# Altium PCB WX0.010.983PCB-4.2(1).PcbDoc (part 2 of 2)
Units mil, origin at the board's own origin, x right, y up, seen from the top; angles counter-clockwise.
Board outline 4734.45 x 7758.08 mil, 2 copper layers (Top Layer, Bottom Layer), stack 12.8 mil thick; 188 components, 143 nets, 633 pads, 443 vias.
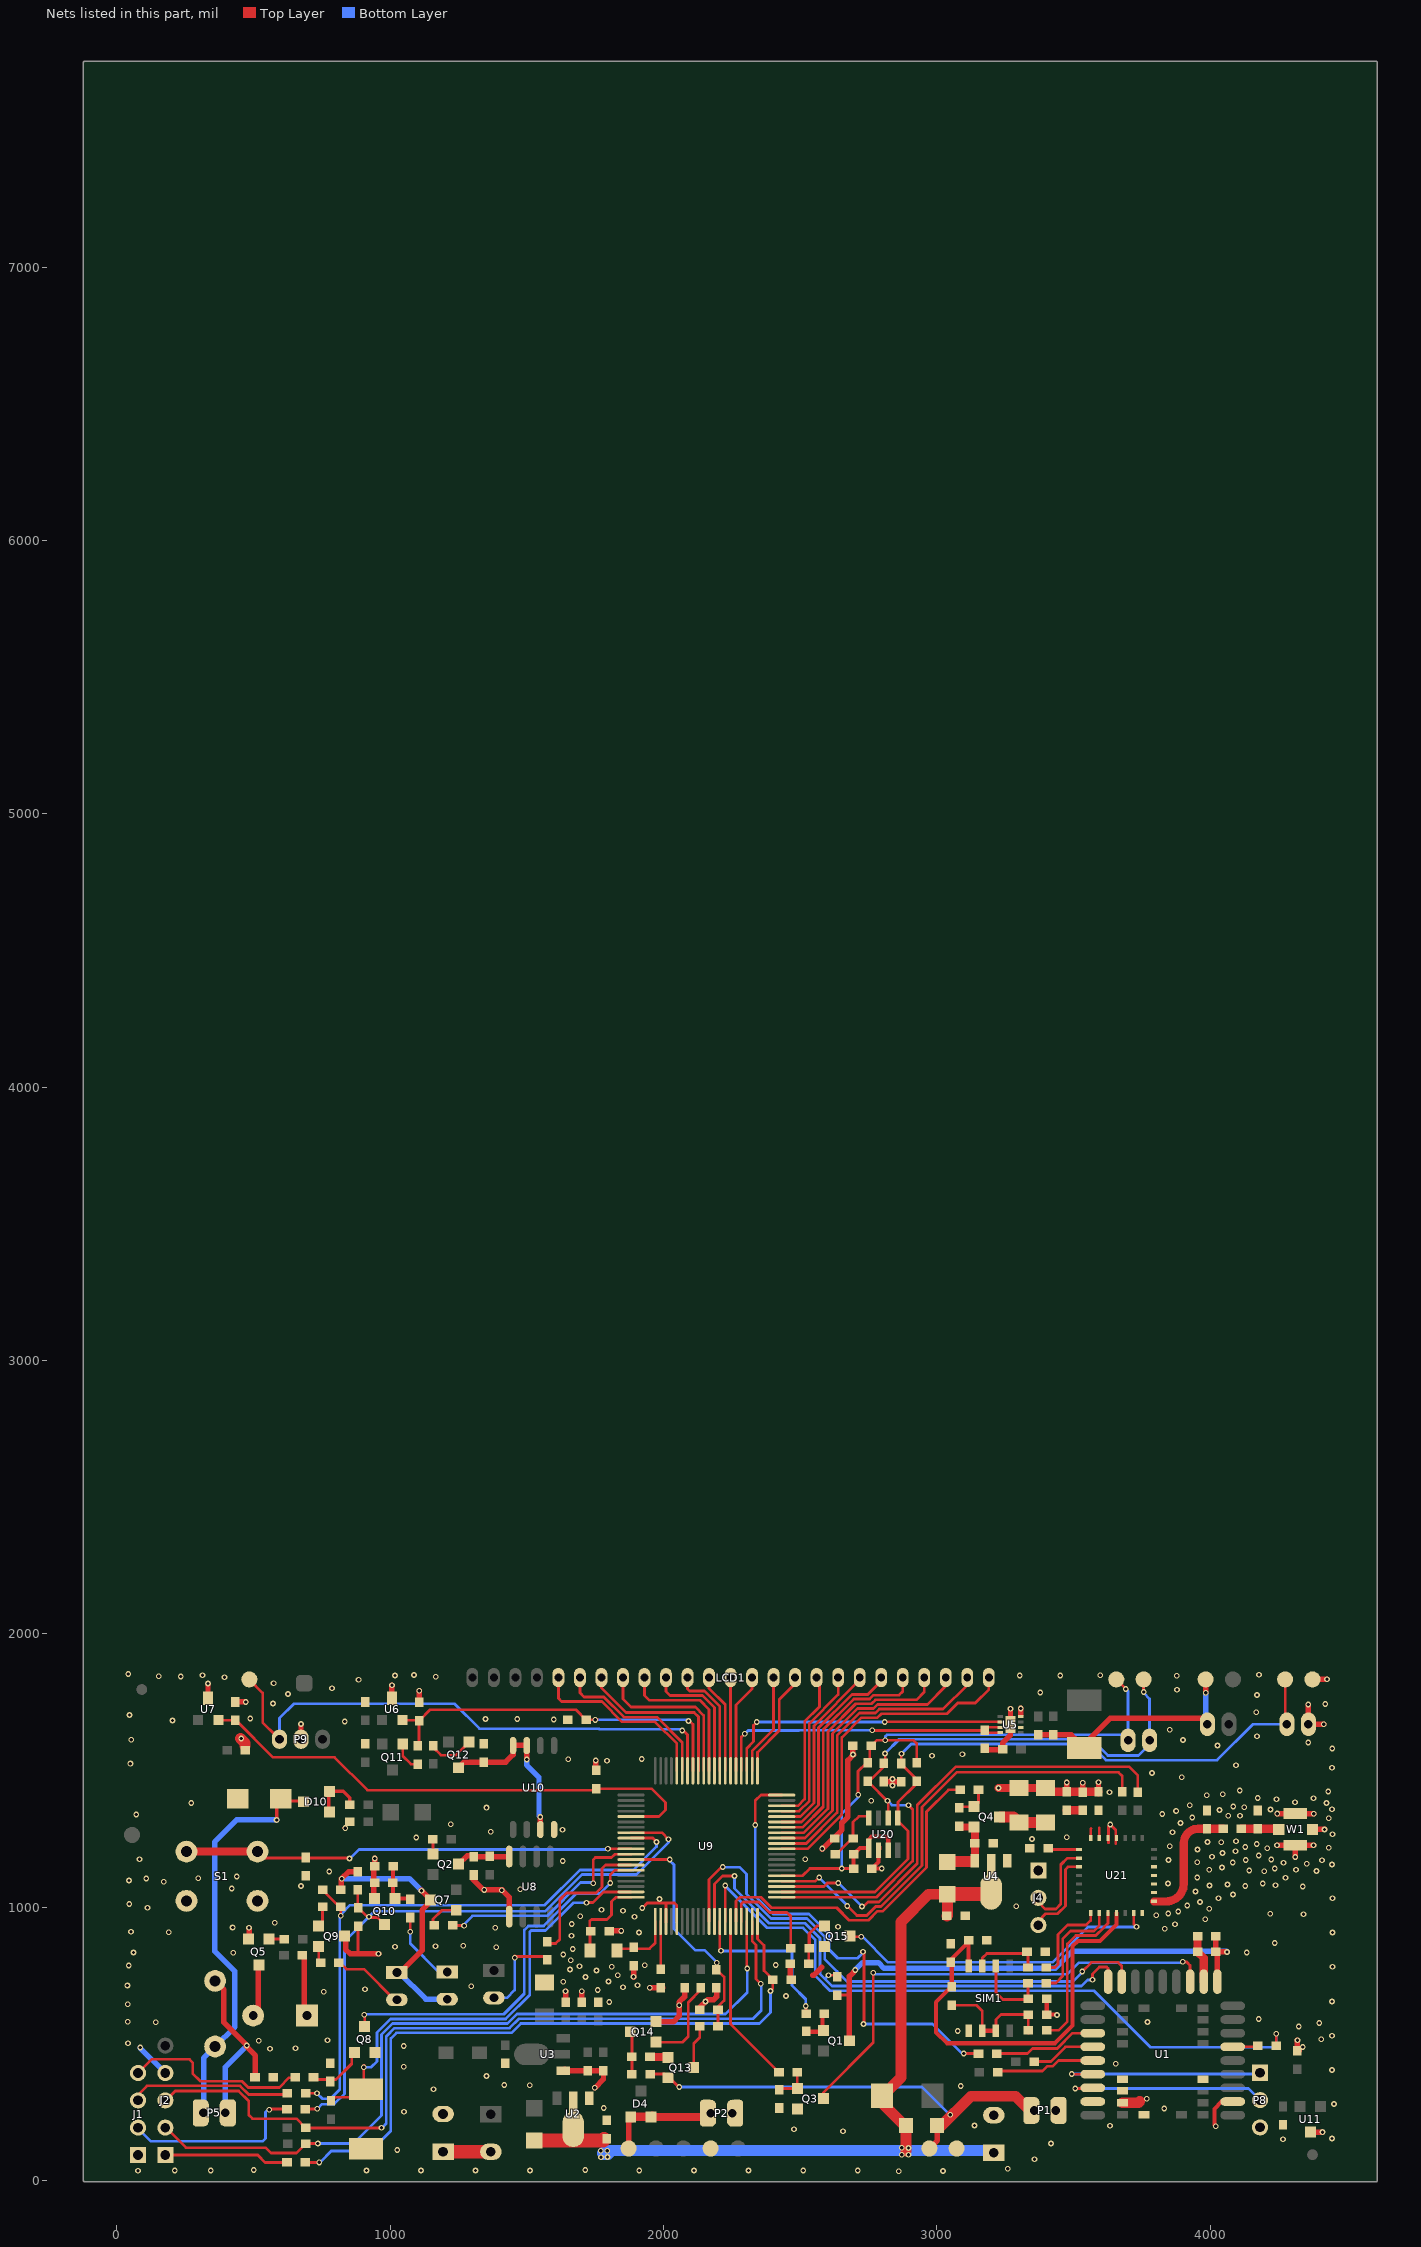
[diagram p2: the nets of this part, all layers, seen from the top]

## Via types
v1: diameter 21, hole 12, Top Layer to Bottom Layer, tented both sides, 443 vias

## Nets (pads, with @x,y where several pads share a name; then routed paths per layer and width w, separated by ;. In a path a pad name is that pad's centre, name@x,y a point inside that pad or via, vN(x,y) a via of type N, cw(c..) or ccw(c..) an arc to the next point about the centre after c; other vN are vias at no path point) (continued)
GND: C1.2 C2.2 C3.2 C4.2 C5.2 C7.2 C8.2 C9.2 C10.2 C11.2 C12.2 C13.2 C14.2 C15.2 C16.2 C17.2 C18.2 C19.2 C20.2 C21.2 C22.1 C23.1 C26.2 C27.2 C28.2 C29.2 C30.2 C31.2 C32.2 C33.1 C34.2 C35.2 C36.2 C37.2 C38.2 C39.1 C40.2 C41.1 C42.2 C43.2 C44.2 C45.2 C46.2 C47.2 C48.2 C49.2 C50.2 C51.1 C54.2 C55.2 C56.2 C57.2 C59.2 C64.1 FB2.1 J1.1 J2.4 J4.1 P1.1 P2.1 P7.2 P8.3 P9.2 Q3.2 Q5.2 Q8.2 Q9.3 Q10.2 Q14.2 Q15.2 R38.1 R41.1 R48.2 R56.2 R58.2 R96.2 S1.2 S2.2 SIM1.1 TP5.1 TP6.1 TP12.1 TVS2.1 U1.2@4082.01,288.64 U1.11@3976.1,727.22 U1.26@3570.2,288.64 U1.29 U1.30 U1.31 U1.33 U1.38 U2.1 U3.1 U4.1 U5.4 U5.9 U6.3 U7.3 U8.1 U9.63 U9.65 U10.4 U11.3 U20.2 U21.4 U21.5 U21.21 U21.23 U21.24 U21.25 U21.26 W1.2 | length 4920.8
  Top Layer w10: v1@829,1289 C8.2@852,1312 ; C26.2@882,930.49 882,833.49 886,829.49 ; v1(1922,997) 1940,1015 2039,1015 2048.14,1005.86 U9.65@2048.14,947.42 ; U9.63@2008.77,943.42 U9.63@2008.77,947.42 2008.77,1012 ; 3628,1235 3628,1296 v1(3634,1302) 3654,1282 3654,1232
  Top Layer w15: U20.2@2786.28,1208.03 2786.28,1165.28 C64.1@2762,1141 v1(2798,1141) ; C20.2@3401.51,664 C21.2@3401.51,607 v1@3438,607 ; v1(4020,198) 4015,203 4015,262 4041.64,288.64 U1.2@4082.01,288.64
  Top Layer w20: U7.3@333,1764 v1(333,1818) ; C29.2@432,1750.51 v1(471.49,1750.51) ; Q5.2@483.6,882.24 v1@483.6,922.4 ; P9.2@673.26,1614 v1@673.26,1669.74 ; Q9.3@836.24,887 836.24,845.76 852.51,829.49 886,829.49 v1(957,829.49) ; Q10.2@934.6,1030.24 940,1035.65 R41.1@940,1148 ; R41.1@943,1149.26 v1(943,1178) ; U6.3@1006,1764 v1(1006,1812) ; C30.2@1106,1749.51 v1(1106,1792) ; C34.2@1304,1120.49 1304,1100 1341,1063 v1(1344,1063) 1409,1063 1435,1037 U8.1@1435,965 ; U3.1@1639,406 1635,402 1636,401 1724,401 C59.2@1724.49,401.49 ; C4.2@1641,652.51 v1(1641,692) ; C5.2@1701,652.51 v1@1701,691 ; C59.2@1723,401.49 C59.2@1724.49,401.49 ; v1(1748,339) 1780,371 1780,401.49 C10.2@1779,401.49 C59.2@1724.49,401.49 ; v1(1752,1536) 1752,1501 1751.51,1500.51 C56.2@1754,1500.51 ; C41.1@1796.49,913 v1(1845,913) ; v1@1890,744 v1(1890,745) C42.2@1890,779.49 ; v1@1950.49,705.49 C38.2@1990,705.49 C38.2@1996,705.49 ; Q14.2@1972.24,580.4 2035.4,580.4 2057,602 v1(2057,641) 2057,652 2077,672 C39.1@2077,705.51 ; R56.2@2132,625 2132,632 2161,661 2183,661 2194,672 C51.1@2194,704.51 ; R58.2@2464,792 2464,737.51 C43.2@2466.51,735 ; 2545,751 2550,751 2579,780 ; v1@2580,1211 2652,1283 2652,1307.89 2674,1329.89 2674,1537 2695,1558 2692.51,1560.49 C33.1@2692.51,1590 ; U20.2@2786.28,1214.03 U20.2@2786.28,1219.03 ; C46.2@2805,1459.49 v1@2837,1459.49 ; v1(2837,1445) v1@2837,1459.49 ; v1(2837,1469) v1@2837,1459.49 ; C35.2@2870,1458.49 2869,1459.49 v1@2837,1459.49 ; C22.1@3175,1578.35 3177.51,1575.84 3240.51,1575.84 C23.1@3240.51,1577 3240.51,1600.35 3269,1628.84 U5.9@3269,1667.84 v1(3269,1725.84) ; 3306.41,1704.37 v1(3306.41,1726.84) v1@3306.41,1727.84 ; C18.2@3475,1430.51 v1(3475,1456) ; C17.2@3533,1421.01 3533,1422.01 v1(3533,1455) ; C16.2@3591,1415.01 C16.2@3591,1422.01 v1(3591,1457) ; v1@4244.07,1225.93 W1.2@4311.02,1225.93 ; v1(4245.07,1342.07) W1.2@4311.02,1342.07 v1@4378.93,1342.07 ; v1(4311,1183) W1.2@4311.02,1225.93 ; v1(4319,513) 4319,480.51 C48.2@4325,474.51 ; v1(4358,1741) 4359,1740 P7.2@4359,1669 v1(4415,1669) ; U11.3@4366,176.76 v1(4410.24,176.76) ; TP12.1@4374,1833 4426,1833 v1(4427,1834) ; W1.2@4374.04,1284 v1(4418,1284) ; v1@4377.93,1225.93 W1.2@4311.02,1225.93
  Top Layer w30: v1(3225,1436) 3225.61,1435.39 C9.2@3300,1435.39 C37.2@3397,1435.39 3410.38,1422.01 3533,1422.01 C16.2@3591,1422.01 ; C15.2@3953.5,893 C13.2@3953.5,836 3976,813.5 U1.11@3976,727.32
  Top Layer w40: v1@452,1617 468,1601 468,1590 ; U1.31@3678.46,284.31 3737.31,284.31 3742,289
  Bottom Layer w20: v1(85,486) 85,485 J2.4@177,393
  other v1: 2860.18,33.5 77,35 3022.18,34.5 211,36 343,36 913,36 1511.05,36 1112,36.5 1311.77,36.5 1911.09,36.5 2110.86,36.5 2310.64,36.5 2510.41,36.5 2710.18,36.5 500,38 1712.82,38 3259,43 3357.18,77.5 1025,111 3417.18,135.5 4266,151 4445,153 2656.18,179.5 2477.18,187.5 3633,200 3137,201 1050,251 3832,263 1781,265 4453,280 3768,299 1158,334 3087.18,345.5 1510,348 1417,349 1352,382 4445,403.62 1049,416 3654,427 560,482 653,484 4338,488 1049,492 40,502 519,511 770,513 4406,517 4445.5,529.44 3076,547 4324,563 4399,576 142,579 3770,580 39,581 4177,591 3439,605 39,645 1801,653 2153,655 4445,654.25 2448,675 756,690 1700,692 1759,697 907,699 1949,705 1851,707 1296,710 38,713 1904,714 1633,727 1798,728 1714,744 1832,751 1754,768 1657,772 1810,782 4447,781.56 1692,784 43,786 1931,787 2410,788 1660,806 1633,827 425,833 60,834 4133,834 1667,847 1388,853 1017,855 1165,857 1267,859 4236,869 1663,895 1910,907 4447,906.88 189,908 51,910 3833,921 483,924 1384,924 423,925 2638,928 3871,937 1664,938 577,943 3982,956 1893,965 1695,967 3802,970 4341,974 4219,976 3846,977 3883,984 1851,987 1773,990 3996,994 112,998 3290,1003 3916,1006 45,1011 3962,1019 1985,1030 4030,1032 4447,1032.19 4083,1046 3946,1057 1408,1062 1475,1065 420,1068 4338,1075 673,1077 4128,1077 3997,1079 4239,1080 4063,1083 3845,1086 4192,1086 171,1093 44,1097 107,1105 297,1106 4275,1107 3952,1108 438,1112 777,1130 4197,1131 4389,1132 4143,1134 3996,1137 4314,1137 4236,1141 4043,1145 4445.5,1156 4353,1159 4268,1162 4082,1163 3952,1164 1631,1169 4409,1171 3847,1172 4130,1172 4223,1174 82,1175 2518,1175 4006,1184 4177,1189 4045,1198 4092,1204 3953,1211 2580,1214 4208,1215 4433,1217 4128,1220 3852,1223 4244,1226 4378,1226 4170,1231 4040,1237 3990,1238 4094,1241 3348,1249 1095,1255 3475,1256 4447,1267 3862,1274 1367,1276 1630,1283 835,1289 1221,1303 3891,1308 4433,1325 3934,1328 4066,1334 4109,1334 70,1339 3824,1341 4379,1342 3875,1352 4034,1355 4220,1357 4445,1358 1352,1364 4124,1365 4084,1368 3925,1373 272,1381 4425,1381 4310,1384 2760,1389 4242,1395 4378,1398 4174,1399 3987,1409 4046,1413 3631,1420 4432,1423 4108,1427 3896,1475 3787,1491 4445,1510 4094,1519 49,1525 1793,1535 1651,1541 1920,1542 2982,1554 2693,1558 3093,1559 4446,1580 4026,1591 4358,1602 3900,1611 52,1612 455,1617 4171,1625 3852,1649 673,1670 833,1679 203,1683 1598,1686 1348,1688 1464,1688 488,1690 46,1703 4168,1713 4421,1743 571,1745 4171,1776 626,1780 3378,1785 3878,1795 787,1801 573,1819 884,1832 393,1841 1166,1843 233,1844 153,1845 3877,1846 1017,1847 3303,1847 3450.75,1847 313,1848 1087,1849 3597,1848.5 4178,1850 41,1853
GPRS_3.6V: C9.1 C16.1 C17.1 C18.1 C37.1 Q4.3 U21.6 U21.7 | length 304.2
  Top Layer w10: U21.7@3562.51,1252.81 3562.51,1286.51 3564,1288 ; U21.6@3594.01,1252.81 3594.01,1289.99
  Top Layer w30: C18.1@3475,1354.51 3532.5,1354.51 C17.1@3533,1354.01
  Top Layer w40: Q4.3@3232.24,1330 3280,1330 C9.1@3300,1310 C37.1@3397,1310
GPRS_POWER: R18.1 U9.76 | length 1252.4
  Top Layer w10: U9.76@2264.68,947.42 2264.68,1021.68 2279,1036 2356.04,1036 2394.54,997.5 2633.25,997.5 2678.75,952 2750.04,952 2783.04,985 2802.08,985 2962,1144.92 2962,1349 3042,1429 R18.1@3085,1429
GPRS_RST: R57.1 U9.77 | length 386.6
  Top Layer w10: U9.77@2284.36,947.42 2284.36,1012.36 2291,1019 2349,1019 2387.5,980.5 2451,980.5 2465,966.5 R57.1@2465,850
HALL1_INTP6: C29.1 C56.1 U7.2 U9.45 | length 1925.9
  Top Layer w10: U7.2@371,1684 431.51,1684 C29.1@432,1683.51 435.49,1683.51 571,1548 796.35,1548 916.35,1428 C56.1@1750.51,1428 ; C56.1@1754,1430 C56.1@1754,1433.51 1955.49,1433.51 2007,1382 2007,1355.87 1982.41,1331.28 U9.45@1880.82,1331.28
HALL2_INTP7: C30.1 C50.1 R3.1 U6.2 U9.33 | length 1371.1
  Top Layer w10: U6.2@1044,1684 C30.1@1104.51,1684 ; R3.1@1105,1590 1105,1681.51 C30.1@1106,1682.51 1145.49,1722 1679.49,1722 C50.1@1716.49,1685 v1(1750,1685) 1755,1685 v1@1757,1687 ; v1(2091,1681) 2095,1681 2107.2,1668.8 U9.33@2107.2,1498.6
  Bottom Layer w10: v1(1750,1685) 2087,1685 v1(2091,1681)
IRDA_CTL: R27.1 U9.52 | length 817.3
  Top Layer w10: R27.1@1228,933 1269,933 v1(1270,932) ; v1(1742,1087) 1742,1173 1750.17,1181.17 1809.25,1181.17 1821.57,1193.48 U9.52@1880.82,1193.48
  Bottom Layer w10: v1(1270,932) 1270,937 1301,968 1574.08,968 1696.08,1090 1739,1090 v1(1742,1087)
IRDA_POW: D5.1 D6.2 Q7.3 R29.1 R34.2 | length 1023.5
  Top Layer w20: R34.2@825,1058 821,1062 821,1103 v1(822,1104) 848,1130 R29.1@881,1130 ; D5.1@1024,761 1035,761 1116,842 1116,989 1146.76,1019.76 Q7.3@1146.76,1026 1146.76,1028.24 v1@1114,1061
  Bottom Layer w20: v1(822,1104) 1070,1104 v1(1114,1060) ; D5.1@1024,761 1032,761 1130,663 D6.2@1208,663
IRDA_RXD1: C26.1 Q10.3 R29.2 R37.2 U9.48 | length 2390.2
  Top Layer w10: R37.2@689,261 732,261 v1(733,262) ; C26.1@881,1013.49 R29.2@881,1063 ; C26.1@882,999 919,962 953.76,962 Q10.3@979,936.76 ; U9.48@1880.82,1272.22 1993.78,1272.22 v1(2018,1248)
  Bottom Layer w10: v1(733,262) 750,279 794.04,279 832,316.96 832,874 943,985 1567.04,985 1701.04,1119 1900.25,1119 2018,1236.75 v1(2018,1248)
  other v1: 922,964.49
IRDA_TXD1: R34.1 R36.2 R40.1 U9.49 | length 2290.2
  Top Layer w10: R36.2@690,319 v1(732,319) ; R34.1@752,1063 814,1001 R40.1@819,1001 v1(819,968) ; U9.49@1880.82,1252.54 1960.21,1252.54 1974,1238.75 v1(1974,1238)
  Bottom Layer w10: v1(732,319) 732,318 751,299 782,299 815,332 815,964 v1(819,968) 819,973 853,1007 1565,1007 1694,1136 1889,1136 1974,1221 v1(1974,1238)
KEY_INTP0: C31.1 S1.1 U9.51 | length 1654
  Top Layer w10: S1.1@524,1198 524,1193 537.49,1179.51 v1@853,1179.51 ; v1(1796,1213.17) U9.51@1880.82,1213.17
  Top Layer w30: S1.1@254,1203 S1.1@514,1203 S1.1@524,1203
  Bottom Layer w10: v1(851,1178) 853,1178 886,1211 1793.83,1211 v1(1796,1213.17)
LED: R7.1 U9.54 | length 556.1
  Top Layer w10: R7.1@1568,867 1605,867 1620,882 1620,1027 1645,1052 1752.25,1052 1774.5,1074.25 1774.5,1141.61 1787,1154.11 U9.54@1880.82,1154.11
MCU_RXD0: R60.1 U9.3 | length 1755.1
  Top Layer w10: U9.3@2432,1075.37 2586.37,1075.37 2599,1088 v1(2639,1088) ; v1(2726,1002) 2731,1002 2748,1019 2788,1019 2928,1159 2928,1373.04 3068.96,1514 3702,1514 3735,1481 R60.1@3735,1420.87
  Bottom Layer w10: v1(2639,1088) 2725,1002 v1(2726,1002)
MCU_TXD0: R59.2 U9.4 | length 1713.9
  Top Layer w10: U9.4@2432,1095.06 2555.06,1095.06 2568,1108 v1(2569,1108) ; v1(2672,1004) 2707,969 2743,969 2776,1002 2795.04,1002 2945,1151.96 2945,1366 3072,1493 3664,1493 3678,1479 R59.2@3678,1421.87
  Bottom Layer w10: v1(2569,1108) v1@2672,1005
NB_DBG_RXD: J4.3 U21.10 | length 324.9
  Top Layer w10: J4.3@3371,934 3371,949 3398,976 3442.04,976 3470,1003.96 3470,1138 3479.5,1147.5 U21.10@3520.19,1147.5
NB_DBG_TXD: J4.2 U21.9 | length 336.9
  Top Layer w10: J4.2@3371,1034 3371,1018 3396,993 3435,993 3453,1011 3453,1155 3476.99,1178.99 U21.9@3520.19,1178.99
NetB1_1: B1.1 R42.1 | length 217.1
  Top Layer w20: R42.1@685,816 685,613 B1.1@695,603
NetB1_2: B1.2 Q5.3 | length 192.5
  Top Layer w20: B1.2@498.15,603 516,620.85 516,774 Q5.3@526,784
NetC1_1: C1.1 R2.2 U21.22 | length 469
  Top Layer w30: U21.22@3793.81,1021 3839,1021 ccw(c3839,1085) 3903,1085 3903,1234 cw(c3955.69,1234) 3955.69,1286.69 C1.1@3988,1286.69 ; C1.1@3988,1286.51 C1.1@3988,1286.69 ; R2.2@4047.02,1286.69 C1.1@3988,1286.69
NetC2_1: C2.1 R2.1 W1.1 | length 133.3
  Top Layer w30: R2.1@4114.71,1287 W1.1@4248,1287
NetC6_2: C6.2 C44.1 | length 176.2
  Top Layer w50: C44.1@1193,105.43 1367.35,105.43 C6.2@1368,104.78
  Bottom Layer w50: C6.2@1367.35,105.43 C6.2@1368,104.78
NetC32_1: C32.1 Q10.1 R39.1 R41.2 | length 176.3
  Top Layer w15: Q10.1@1009.4,1030.24 R41.2@1009.4,1145.6 ; R41.2@1010,1149.26 R41.2@1012.4,1146.85 ; Q10.1@1016.4,1031.24 1070.76,1031.24 R39.1@1073,1029
NetC34_1: C34.1 Q2.3 R45.1 U8.8 | length 197.6
  Top Layer w20: Q2.3@1250.24,1157 1280.74,1187.49 C34.1@1304,1187.49 ; C34.1@1304,1184.49 C34.1@1305,1184.49 1434.51,1184.49 U8.8@1435,1184
NetC36_1: C36.1 Q12.3 U10.3 U10.7 U10.8 | length 632.3
  Top Layer w20: Q12.3@1248,1509.76 1268.75,1530.51 C36.1@1341,1530.51 1422,1530.51 1449,1557.51 U10.8@1449,1591.09 ; U10.8@1449,1591.49 1498.6,1591.49 U10.7@1499,1591.09 v1(1499,1540) ; U10.3@1549,1284 v1(1549,1330)
  Bottom Layer w20: v1(1499,1540) 1499,1520 1544,1475 1544,1335 v1(1549,1330)
NetC38_1: C38.1 U9.62 | length 175.3
  Top Layer w10: U9.62@1989.09,947.42 1989.09,773.4 C38.1@1990,772.49
NetC40_1: C40.1 Q4.2 R16.2 R50.2 U4.3 | length 271.8
  Top Layer w25: R16.2@3082,1296 3085.4,1292.6 Q4.2@3134.76,1292.6 Q4.2@3137.76,1292.6
  Top Layer w30: Q4.2@3137.76,1292.6 3138.94,1291.41 U4.3@3138.94,1169.43
  Top Layer w40: R50.2@3042,1166.11 U4.3@3133,1166.11
NetD4_1: D4.1 D4.2 P2.2 TP7.1 | length 415.6
  Top Layer w20: TP7.1@1872,117 1872,222.67 1885.76,222.67 D4.1@1887.72,224.64
  Top Layer w30: D4.1@1879.6,232.76 D4.2@1954.4,232.76 D4.2@1958.24,236.6 ; D4.2@1958.24,232.76 D4.2@1958.24,236.6 ; P2.2@2165.63,232 1962.84,232 D4.2@1958.24,236.6
NetD5_2: D5.2 R35.2 | length 263.9
  Top Layer w10: R35.2@816,796 839,773 904,773 1016,661 D5.2@1024,661
NetD6_1: D6.1 R39.2 | length 303.1
  Top Layer w10: v1@1073,907 v1(1073,910) R39.2@1073,962 ; D6.1@1208,763 D6.1@1235,763
  Bottom Layer w10: v1(1073,910) 1073,867 1177,763 D6.1@1208,763
NetD7_2: D7.2 R7.2 | length 331.7
  Top Layer w10: v1(1455,815) 1455,822 1458,819 1562,819 R7.2@1569,812
  Bottom Layer w10: D7.2@1379,668 1427,668 1455,696 v1(1455,815)
NetD10_1: D10.1 D10.2 FB1.2 | length 188.7
  Top Layer w12: D10.1@775.24,1348 775.24,1424 828,1424 852,1400 FB1.2@852,1374
NetD10_3: D10.3 P5.2 P10.2 TVS2.2 | length 1520.8
  Top Layer w12: v1(584,1319) 584,1381.26 TVS2.2@599.74,1397 608.74,1388 D10.3@680.76,1388
  Top Layer w20: P10.2@357,490 P10.2@359,490
  Bottom Layer w20: P5.2@316.63,247 316.63,447.63 P10.2@359,490 431,562 431,765 357,839 357,1238 438,1319 v1(584,1319) ; P10.2@337,490 P10.2@357,490
NetFB2_2: FB2.2 P5.1 P10.1 | length 688.1
  Top Layer w20: P10.1@359,730 391,698 391,578 v1(475,494) ; v1@473,490 506,457 506,380 FB2.2@504,378
  Bottom Layer w20: P5.1@395.37,247 395.37,413.37 v1@474,492
NetJ1_2: J1.2 R37.1 | length 673.2
  Top Layer w10: v1(557,259) 559,261 R37.1@622,261
  Bottom Layer w10: J1.2@77,193 77,190 124,143 533,143 543,153 543,250 552,259 v1(557,259)
NetJ1_3: J1.3 R36.1 | length 595
  Top Layer w10: J1.3@77,293 77,313 110,346 450.04,346 482.04,314 618,314 R36.1@623,319
NetJ1_4: J1.4 R31.1 | length 676.7
  Top Layer w10: J1.4@78,393 J1.4@77,393 127,443 265,443 277,431 277,391 305,363 457.08,363 480.08,340 594.03,340 630.03,376 R31.1@651,376
NetJ2_1: J2.1 R1.2 | length 456.2
  Top Layer w10: J2.1@177,93 515,93 542,66 R1.2@622,66
NetQ1_1: Q1.1 R20.2 R32.2 | length 128.6
  Top Layer w15: R20.2@2514,544 2580.35,544 2581,544.65 R32.2@2581,606
NetQ2_1: Q2.1 R44.2 | length 54.7
  Top Layer w10: Q2.1@1155.76,1194.4 1156,1194.65 R44.2@1156,1249
NetQ3_1: Q3.1 R33.2 R48.1 | length 127.5
  Top Layer w10: R48.1@2423,332 2427.4,336.4 Q3.1@2489.76,336.4 2489,337.16 R33.2@2489,395
NetQ3_3: Q3.3 U1.12@3926.1,727.22 | length 1786
  Top Layer w10: Q3.3@2584.24,299 2584.24,321.24 2767,504 v1@2767,759 ; v1@3894,799 3914,799 3926.1,786.9 U1.12@3926.1,727.22
  Bottom Layer w10: v1(2767,760) 2773,754 3476.41,754 3518.41,796 3895,796 v1(3899,800)
NetQ4_1: Q4.1 R16.1 R18.2 | length 125.1
  Top Layer w10: R16.1@3082,1363 3086.4,1367.4 Q4.1@3134.76,1367.4 3137.76,1367.4 3152,1381.65 R18.2@3152,1429
NetQ5_1: Q5.1 R47.2 | length 62
  Top Layer w10: Q5.1@556.4,883.24 606.76,883.24 R47.2@615,875
NetQ7_1: Q7.1 R27.2 | length 122.7
  Top Layer w10: R27.2@1156,932 1156,956 1188.6,988.6 Q7.1@1241.24,988.6
NetQ8_1: Q8.1 R31.2 R38.2 | length 213.1
  Top Layer w10: R31.2@719,377 727,369 801,369 858.84,426.84 858.84,459 Q8.1@868.6,468.76
NetQ9_1: Q9.1 R40.2 | length 75.5
  Top Layer w10: Q9.1@737.76,931.4 752,945.65 R40.2@752,1001
NetQ9_2: Q9.2 R35.1 | length 73.5
  Top Layer w10: Q9.2@744.76,849.6 Q9.2@737.76,856.6 737.76,803.24 R35.1@745,796
NetQ11_1: Q11.1 R3.2 | length 115.5
  Top Layer w10: Q11.1@1045.4,1596.24 1045.4,1552.6 1075,1523 R3.2@1100,1523 R3.2@1105,1523
NetQ12_1: Q12.1 R49.2 | length 168.6
  Top Layer w10: R49.2@1157,1591 1157,1584 1185,1556 1240,1556 1285.4,1601.4 Q12.1@1285.4,1604.24
NetQ13_1: Q13.1 R55.2 | length 66
  Top Layer w30: R55.2@1950,452 2015.16,452 Q13.1@2015.76,451.4
NetQ13_3: Q13.3 R9.1 | length 159
  Top Layer w10: Q13.3@2110.24,414 2110.24,501.38 2132,523.13 R9.1@2132,564
NetQ14_1: Q14.1 R14.2 | length 324.7
  Top Layer w10: Q14.1@1972.24,505.6 2069.6,505.6 2090,526 2090,651 2137,698 R14.2@2137,705
NetQ14_3: Q14.3 R10.1 R55.1 | length 250.8
  Top Layer w10: Q14.3@1877.76,543 Q14.3@1883,537.76 ; Q14.3@1877.76,544 1883,538.76 Q14.3@1883,537.76 ; R55.1@1883,452 Q14.3@1883,537.76 ; R10.1@1884,389 1884,536.76 Q14.3@1883,537.76
NetQ15_1: Q15.1 R57.2 R58.1 | length 236.3
  Top Layer w10: R58.1@2531,792 2531,902 2560.4,931.4 Q15.1@2587.76,931.4 ; R57.2@2533,847 2534,848 2534,904
NetR13_2: R13.2 U1.23@3570.2,438.64 | length 367.9
  Top Layer w10: R13.2@3220,404 3224,400 3386,400 3404,418 3424.04,418 3444.68,438.64 U1.23@3570.2,438.64
NetR15_1: R15.1 U1.6@4082.01,488.64 | length 93.8
  Top Layer w10: U1.6@4082.01,488.64 4169.64,488.64 R15.1@4174,493
NetR17_2: R17.2 U1.22@3570.2,488.64 | length 236.4
  Top Layer w10: R17.2@3356,435 3417,435 3470.64,488.64 U1.22@3570.2,488.64
NetR19_2: R19.2 U1.21@3570.2,538.64 | length 382.1
  Top Layer w10: R19.2@3219,464 3331,464 3349.5,482.5 3440.08,482.5 3496.21,538.64 U1.21@3570.2,538.64
NetR96_1: R96.1 R97.1 U20.8 | length 214.6
  Top Layer w10: R97.1@2627,1201 2640,1201 R96.1@2693,1254 ; R96.1@2693,1251 R96.1@2693,1254 ; U20.8@2750.84,1332.14 2714.14,1332.14 2693,1311 R96.1@2693,1254
OPEN: U5.6 U9.23 | length 1108.7
  Top Layer w10: U9.23@2304.05,1498.6 2304.05,1581.05 2329,1606 2329,1665 v1(2341,1677) ; v1@2810,1679 2811.32,1677.68 U5.6@3231.6,1677.68 U5.6@3231.26,1677.34
  Bottom Layer w10: 2365,1677 v1(2341,1677) 2341.5,1677.5 2808.5,1677.5 v1(2809,1677)
PWR: R19.1 U9.20 | length 1716.3
  Top Layer w10: v1@2335,1302 2335,1389 2356.02,1410.02 U9.20@2432,1410.02 ; v1(2729,837) 2733,833 v1@2733,572 ; v1(3098,464) R19.1@3152,464
  Bottom Layer w10: v1(2335,1300) 2335,1040.12 2400.12,975 2531.21,975 2606,900.21 2606,844 2637,813 2710,813 v1@2733,836 ; v1(2731,572) 2984,572 v1@3094,462
PWR_CTL: R15.2 U9.74 | length 2560.4
  Top Layer w10: U9.74@2225.31,947.42 v1(2225.31,1079) ; R15.2@4241,493 v1(4241,537)
  Bottom Layer w10: v1@2225.31,1080 v1(2225.31,1079) 2225.31,1077.69 2379,924 2510.08,924 2555,879.08 2555,748 2609,694 3575.08,694 3782.08,487 4233,487 4241,495 v1(4241,537)
R: C24.1 C58.1 P3.1 TP21.1 TVS1.2 U5.2 | length 898.9
  Top Layer w10: TVS1.2@3491.5,1601.5 TVS1.2@3505.5,1615.5 ; P3.1@3971.26,1687 P3.1@3989.26,1669
  Top Layer w20: C24.1@3370,1630.35 3490.65,1630.35 3505.5,1615.5 3531,1590 TVS1.2@3503,1590 ; TVS1.2@3533,1590 3633.5,1690.5 3967.76,1690.5 P3.1@3971.26,1687 ; v1(3983,1784) TP21.1@3983,1833
  Bottom Layer w20: v1(3983,1784) 3983,1675.26 P3.1@3989.26,1669
RESET: Q15.3 U21.20 | length 1213.1
  Top Layer w10: Q15.3@2672.24,895 2673.24,894 2671.24,892 v1(2723,892) ; U21.20@3719.99,979.19 3719.99,938.01 v1(3730,928)
  Bottom Layer w10: v1(2723,892) 2727,892 2821,798 3423,798 3552,927 3731,927 v1(3730,928)
RST: C43.1 R1.1 U9.80 | length 2494.4
  Top Layer w10: R1.1@689,66 v1(740,66) ; U9.80@2343.42,947.42 2343.42,883.58 2367,860 2367,767.51 C43.1@2399.51,735 2399.51,701.51 v1(2391,693) ; C43.1@2385.51,748.49 2386,748 2386.23,748.23 C43.1@2391,743.45
  Bottom Layer w10: v1(740,66) 742,68 744,68 784,108 928.25,108 1002,181.75 1002,519.88 1022.12,540 1443.12,540 1477.62,574.5 2350.46,574.5 2391,615.04 v1(2391,693)
RXD1: P9.1 TP22.1 U9.34 | length 2031.5
  Top Layer w10: TP22.1@484,1833 533,1784 533,1675 582.52,1625.48 P9.1@594.52,1625.48 ; v1(2068,1646) 2072,1646 2087.51,1630.49 U9.34@2087.51,1498.6
  Bottom Layer w10: P9.1@594.52,1614 594.52,1691.52 647,1744 1235,1744 1326,1653 1763.25,1653 1765.25,1651 2063,1651 v1(2068,1646)